# KiCad board TKL.kicad_pcb
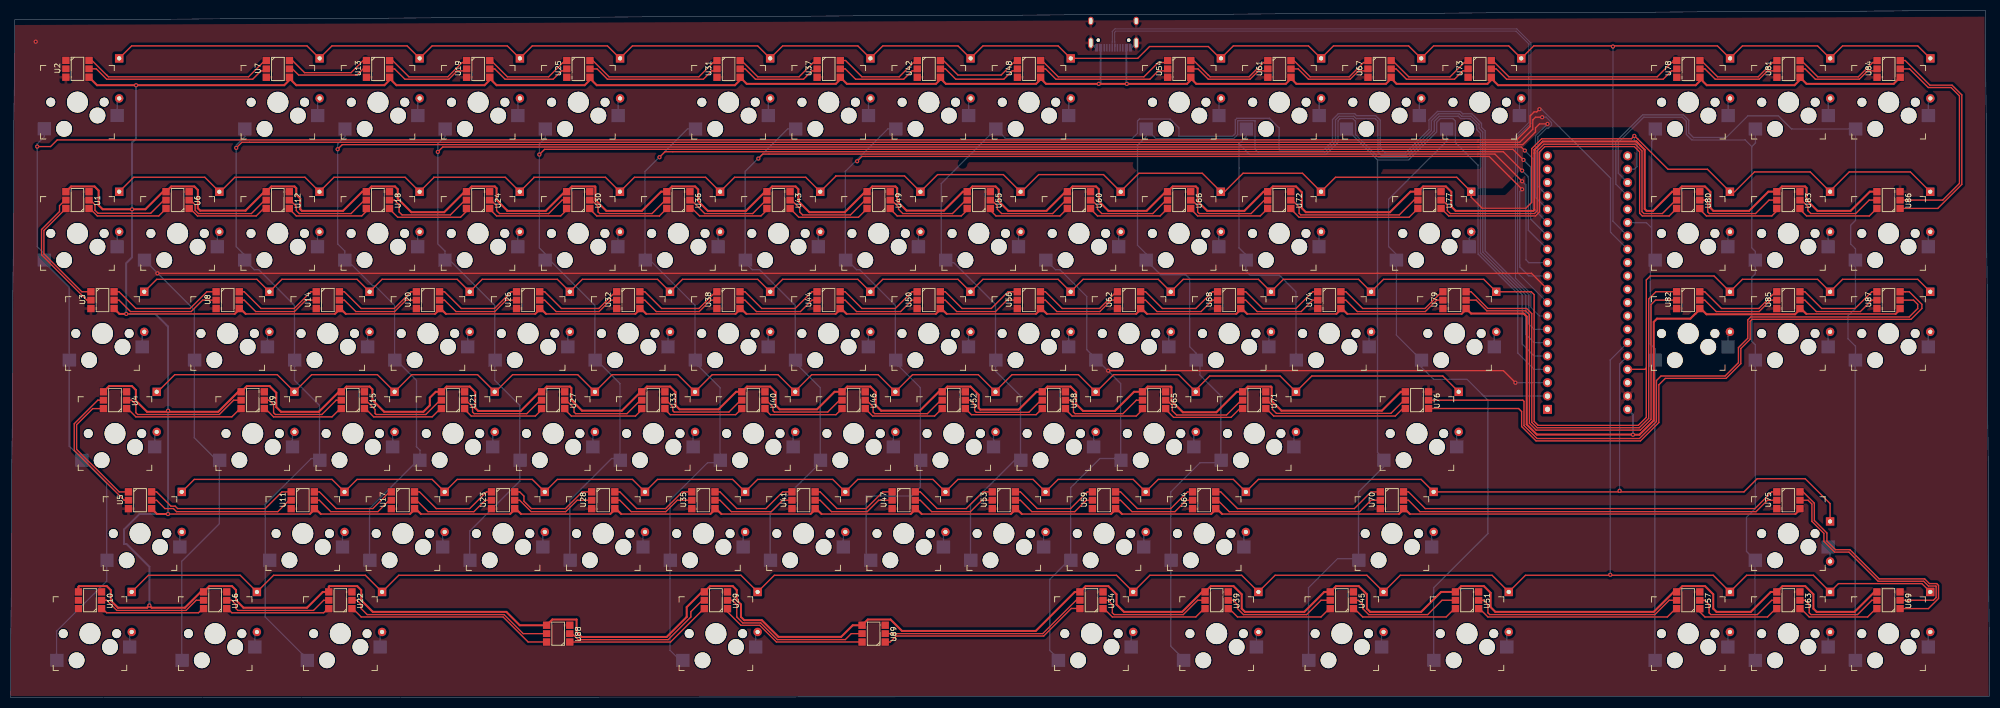
[diagram p0: board, top side]
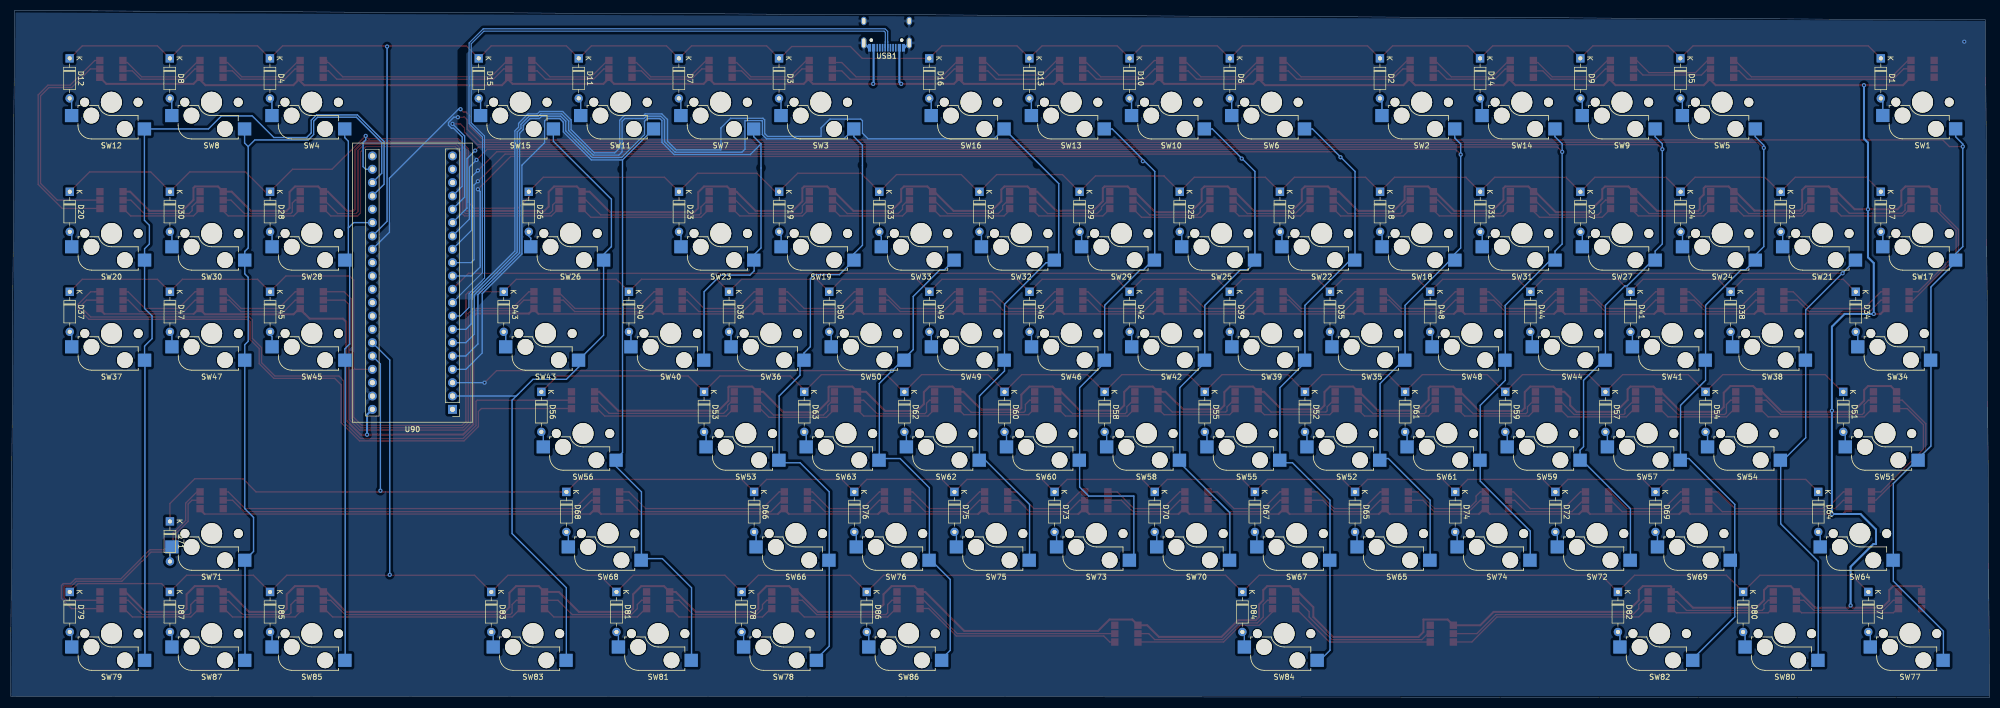
[diagram p1: board, bottom side, seen from below]

Outline 376.43 x 130.81 mm; copper layers: Top, Bottom. Coordinates in mm from the lower left corner of the outline.
Outline path: 0,0 376.43,0.25 375.67,130.81 0.76,129.03 0,0
Stack: Top 0.035mm / dielectric 1.51mm FR4 er 4.5 / Bottom 0.035mm

## Placement (name value [footprint] x y rotation side)
D1  D_ESC  [D_DO-35_SOD27_P7.62mm_Horizontal]  20.67 121.7 270 bottom
D2  D_F4  [D_DO-35_SOD27_P7.62mm_Horizontal]  115.95 121.7 270 bottom
D3  D_F9  [D_DO-35_SOD27_P7.62mm_Horizontal]  230.25 121.7 270 bottom
D4  D_PRINT  [D_DO-35_SOD27_P7.62mm_Horizontal]  327.08 121.7 270 bottom
D5  D_F1  [D_DO-35_SOD27_P7.62mm_Horizontal]  58.8 121.7 270 bottom
D6  D_F5  [D_DO-35_SOD27_P7.62mm_Horizontal]  144.49 121.7 270 bottom
D7  D_F10  [D_DO-35_SOD27_P7.62mm_Horizontal]  249.3 121.7 270 bottom
D8  D_SCRLCK  [D_DO-35_SOD27_P7.62mm_Horizontal]  346.13 121.7 270 bottom
D9  D_F2  [D_DO-35_SOD27_P7.62mm_Horizontal]  77.82 121.7 270 bottom
D10  D_F6  [D_DO-35_SOD27_P7.62mm_Horizontal]  163.57 121.7 270 bottom
D11  D_F11  [D_DO-35_SOD27_P7.62mm_Horizontal]  268.35 121.7 270 bottom
D12  D_BREAK  [D_DO-35_SOD27_P7.62mm_Horizontal]  365.18 121.7 270 bottom
D13  D_F7  [D_DO-35_SOD27_P7.62mm_Horizontal]  182.62 121.7 270 bottom
D14  D_F3  [D_DO-35_SOD27_P7.62mm_Horizontal]  96.9 121.7 270 bottom
D15  D_F12  [D_DO-35_SOD27_P7.62mm_Horizontal]  287.37 121.7 270 bottom
D16  D_F8  [D_DO-35_SOD27_P7.62mm_Horizontal]  201.67 121.7 270 bottom
D17  D_TILDE  [D_DO-35_SOD27_P7.62mm_Horizontal]  20.67 96.3 270 bottom
D18  D_5  [D_DO-35_SOD27_P7.62mm_Horizontal]  115.92 96.3 270 bottom
D19  D_MINUS  [D_DO-35_SOD27_P7.62mm_Horizontal]  230.22 96.3 270 bottom
D20  D_PGUP  [D_DO-35_SOD27_P7.62mm_Horizontal]  365.16 96.3 270 bottom
D21  D_1  [D_DO-35_SOD27_P7.62mm_Horizontal]  39.72 96.3 270 bottom
D22  D_6  [D_DO-35_SOD27_P7.62mm_Horizontal]  134.97 96.3 270 bottom
D23  D_PLUS  [D_DO-35_SOD27_P7.62mm_Horizontal]  249.27 96.3 270 bottom
D24  D_2  [D_DO-35_SOD27_P7.62mm_Horizontal]  58.77 96.3 270 bottom
D25  D_7  [D_DO-35_SOD27_P7.62mm_Horizontal]  154.02 96.3 270 bottom
D26  D_BACK  [D_DO-35_SOD27_P7.62mm_Horizontal]  277.84 96.3 270 bottom
D27  D_3  [D_DO-35_SOD27_P7.62mm_Horizontal]  77.82 96.3 270 bottom
D28  D_INSERT  [D_DO-35_SOD27_P7.62mm_Horizontal]  327.06 96.3 270 bottom
D29  D_8  [D_DO-35_SOD27_P7.62mm_Horizontal]  173.07 96.3 270 bottom
D30  D_HOME  [D_DO-35_SOD27_P7.62mm_Horizontal]  346.11 96.3 270 bottom
D31  D_4  [D_DO-35_SOD27_P7.62mm_Horizontal]  96.87 96.3 270 bottom
D32  D_9  [D_DO-35_SOD27_P7.62mm_Horizontal]  192.12 96.3 270 bottom
D33  D_0  [D_DO-35_SOD27_P7.62mm_Horizontal]  211.17 96.3 270 bottom
D34  D_TAB  [D_DO-35_SOD27_P7.62mm_Horizontal]  25.43 77.25 270 bottom
D35  D_T  [D_DO-35_SOD27_P7.62mm_Horizontal]  125.44 77.25 270 bottom
D36  D_BRACEL  [D_DO-35_SOD27_P7.62mm_Horizontal]  239.74 77.25 270 bottom
D37  D_PGDN  [D_DO-35_SOD27_P7.62mm_Horizontal]  365.16 77.25 270 bottom
D38  D_Q  [D_DO-35_SOD27_P7.62mm_Horizontal]  49.24 77.25 270 bottom
D39  D_Y  [D_DO-35_SOD27_P7.62mm_Horizontal]  144.49 77.25 270 bottom
D40  D_BRACER  [D_DO-35_SOD27_P7.62mm_Horizontal]  258.79 77.25 270 bottom
D41  D_W  [D_DO-35_SOD27_P7.62mm_Horizontal]  68.29 77.25 270 bottom
D42  D_U  [D_DO-35_SOD27_P7.62mm_Horizontal]  163.54 77.25 270 bottom
D43  D_BCKSLSH  [D_DO-35_SOD27_P7.62mm_Horizontal]  282.61 77.25 270 bottom
D44  D_E  [D_DO-35_SOD27_P7.62mm_Horizontal]  87.34 77.25 270 bottom
D45  D_DELETE  [D_DO-35_SOD27_P7.62mm_Horizontal]  327.06 77.25 270 bottom
D46  D_I  [D_DO-35_SOD27_P7.62mm_Horizontal]  182.59 77.25 270 bottom
D47  D_END  [D_DO-35_SOD27_P7.62mm_Horizontal]  346.11 77.25 270 bottom
D48  D_R  [D_DO-35_SOD27_P7.62mm_Horizontal]  106.39 77.25 270 bottom
D49  D_O  [D_DO-35_SOD27_P7.62mm_Horizontal]  201.64 77.25 270 bottom
D50  D_P  [D_DO-35_SOD27_P7.62mm_Horizontal]  220.69 77.25 270 bottom
D51  D_CAPS  [D_DO-35_SOD27_P7.62mm_Horizontal]  27.81 58.2 270 bottom
D52  D_G  [D_DO-35_SOD27_P7.62mm_Horizontal]  130.21 58.2 270 bottom
D53  D_APO  [D_DO-35_SOD27_P7.62mm_Horizontal]  244.51 58.2 270 bottom
D54  D_A  [D_DO-35_SOD27_P7.62mm_Horizontal]  54.01 58.2 270 bottom
D55  D_H  [D_DO-35_SOD27_P7.62mm_Horizontal]  149.26 58.2 270 bottom
D56  D_ENTER  [D_DO-35_SOD27_P7.62mm_Horizontal]  275.46 58.2 270 bottom
D57  D_S  [D_DO-35_SOD27_P7.62mm_Horizontal]  73.06 58.2 270 bottom
D58  D_J  [D_DO-35_SOD27_P7.62mm_Horizontal]  168.31 58.2 270 bottom
D59  D_D  [D_DO-35_SOD27_P7.62mm_Horizontal]  92.11 58.2 270 bottom
D60  D_K  [D_DO-35_SOD27_P7.62mm_Horizontal]  187.36 58.2 270 bottom
D61  D_F  [D_DO-35_SOD27_P7.62mm_Horizontal]  111.16 58.2 270 bottom
D62  D_L  [D_DO-35_SOD27_P7.62mm_Horizontal]  206.41 58.2 270 bottom
D63  D_SEMI  [D_DO-35_SOD27_P7.62mm_Horizontal]  225.46 58.2 270 bottom
D64  D_SHIFT  [D_DO-35_SOD27_P7.62mm_Horizontal]  32.58 39.15 270 bottom
D65  D_V  [D_DO-35_SOD27_P7.62mm_Horizontal]  120.68 39.15 270 bottom
D66  D_SLASH  [D_DO-35_SOD27_P7.62mm_Horizontal]  234.98 39.15 270 bottom
D67  D_B  [D_DO-35_SOD27_P7.62mm_Horizontal]  139.73 39.15 270 bottom
D68  D_RSHIFT  [D_DO-35_SOD27_P7.62mm_Horizontal]  270.7 39.15 270 bottom
D69  D_Z  [D_DO-35_SOD27_P7.62mm_Horizontal]  63.53 39.15 270 bottom
D70  D_N  [D_DO-35_SOD27_P7.62mm_Horizontal]  158.78 39.15 270 bottom
D71  D_UP  [D_DO-35_SOD27_P7.62mm_Horizontal]  346.11 33.53 270 bottom
D72  D_X  [D_DO-35_SOD27_P7.62mm_Horizontal]  82.58 39.15 270 bottom
D73  D_M  [D_DO-35_SOD27_P7.62mm_Horizontal]  177.83 39.15 270 bottom
D74  D_C  [D_DO-35_SOD27_P7.62mm_Horizontal]  101.63 39.15 270 bottom
D75  D_COMMA  [D_DO-35_SOD27_P7.62mm_Horizontal]  196.88 39.15 270 bottom
D76  D_DOT  [D_DO-35_SOD27_P7.62mm_Horizontal]  215.93 39.15 270 bottom
D77  D_LCTRL  [D_DO-35_SOD27_P7.62mm_Horizontal]  23.05 20.1 270 bottom
D78  D_RWIN  [D_DO-35_SOD27_P7.62mm_Horizontal]  237.36 20.1 270 bottom
D79  D_RIGHT  [D_DO-35_SOD27_P7.62mm_Horizontal]  365.16 20.1 270 bottom
D80  D_LWIN  [D_DO-35_SOD27_P7.62mm_Horizontal]  46.86 20.1 270 bottom
D81  D_MENU  [D_DO-35_SOD27_P7.62mm_Horizontal]  261.18 20.1 270 bottom
D82  D_LALT  [D_DO-35_SOD27_P7.62mm_Horizontal]  70.68 20.1 270 bottom
D83  D_RCTRL  [D_DO-35_SOD27_P7.62mm_Horizontal]  284.99 20.1 270 bottom
D84  D_SPACE  [D_DO-35_SOD27_P7.62mm_Horizontal]  142.11 20.1 270 bottom
D85  D_LEFT  [D_DO-35_SOD27_P7.62mm_Horizontal]  327.06 20.1 270 bottom
D86  D_RALT  [D_DO-35_SOD27_P7.62mm_Horizontal]  213.55 20.1 270 bottom
D87  D_DOWN  [D_DO-35_SOD27_P7.62mm_Horizontal]  346.11 20.1 270 bottom
SW1  K_ESC  [Kailh_socket_MX]  12.73 113.36 180 top
SW2  K_F4  [Kailh_socket_MX]  108.01 113.34 180 top
SW3  K_F9  [Kailh_socket_MX]  222.31 113.34 180 top
SW4  K_PRINT  [Kailh_socket_MX]  319.15 113.34 180 top
SW5  K_F1  [Kailh_socket_MX]  50.86 113.34 180 top
SW6  K_F5  [Kailh_socket_MX]  136.58 113.34 180 top
SW7  K_F10  [Kailh_socket_MX]  241.36 113.34 180 top
SW8  K_SCRLCK  [Kailh_socket_MX]  338.2 113.34 180 top
SW9  K_F2  [Kailh_socket_MX]  69.91 113.34 180 top
SW10  K_F6  [Kailh_socket_MX]  155.63 113.34 180 top
SW11  K_F11  [Kailh_socket_MX]  260.41 113.34 180 top
SW12  K_BREAK  [Kailh_socket_MX]  357.25 113.34 180 top
SW13  K_F7  [Kailh_socket_MX]  174.68 113.34 180 top
SW14  K_F3  [Kailh_socket_MX]  88.96 113.34 180 top
SW15  K_F12  [Kailh_socket_MX]  279.46 113.34 180 top
SW16  K_F8  [Kailh_socket_MX]  193.73 113.34 180 top
SW17  K_TILDE  [Kailh_socket_MX]  12.73 88.36 180 top
SW18  K_5  [Kailh_socket_MX]  107.98 88.36 180 top
SW19  K_MINUS  [Kailh_socket_MX]  222.28 88.36 180 top
SW20  K_PGUP  [Kailh_socket_MX]  357.22 88.36 180 top
SW21  K_1  [Kailh_socket_MX]  31.78 88.36 180 top
SW22  K_6  [Kailh_socket_MX]  127.03 88.36 180 top
SW23  K_PLUS  [Kailh_socket_MX]  241.33 88.36 180 top
SW24  K_2  [Kailh_socket_MX]  50.83 88.36 180 top
SW25  K_7  [Kailh_socket_MX]  146.08 88.36 180 top
SW26  K_BACK  [Kailh_socket_MX]  269.91 88.36 180 top
SW27  K_3  [Kailh_socket_MX]  69.88 88.36 180 top
SW28  K_INSERT  [Kailh_socket_MX]  319.12 88.36 180 top
SW29  K_8  [Kailh_socket_MX]  165.13 88.36 180 top
SW30  K_HOME  [Kailh_socket_MX]  338.17 88.36 180 top
SW31  K_4  [Kailh_socket_MX]  88.93 88.36 180 top
SW32  K_9  [Kailh_socket_MX]  184.18 88.36 180 top
SW33  K_0  [Kailh_socket_MX]  203.23 88.36 180 top
SW34  K_TAB  [Kailh_socket_MX]  17.49 69.31 180 top
SW35  K_T  [Kailh_socket_MX]  117.51 69.31 180 top
SW36  K_BRACEL  [Kailh_socket_MX]  231.81 69.31 180 top
SW37  K_PGDN  [Kailh_socket_MX]  357.22 69.31 180 top
SW38  K_Q  [Kailh_socket_MX]  41.31 69.31 180 top
SW39  K_Y  [Kailh_socket_MX]  136.56 69.31 180 top
SW40  K_BRACER  [Kailh_socket_MX]  250.86 69.31 180 top
SW41  K_W  [Kailh_socket_MX]  60.36 69.31 180 top
SW42  K_U  [Kailh_socket_MX]  155.61 69.31 180 top
SW43  K_BCKSLSH  [Kailh_socket_MX]  274.67 69.31 180 top
SW44  K_E  [Kailh_socket_MX]  79.41 69.31 180 top
SW45  K_DELETE  [Kailh_socket_MX]  319.12 69.31 180 top
SW46  K_I  [Kailh_socket_MX]  174.66 69.31 180 top
SW47  K_END  [Kailh_socket_MX]  338.17 69.31 180 top
SW48  K_R  [Kailh_socket_MX]  98.46 69.31 180 top
SW49  K_O  [Kailh_socket_MX]  193.71 69.31 180 top
SW50  K_P  [Kailh_socket_MX]  212.76 69.31 180 top
SW51  K_CAPS  [Kailh_socket_MX]  19.88 50.26 180 top
SW52  K_G  [Kailh_socket_MX]  122.27 50.26 180 top
SW53  K_APO  [Kailh_socket_MX]  236.57 50.26 180 top
SW54  K_A  [Kailh_socket_MX]  46.07 50.26 180 top
SW55  K_H  [Kailh_socket_MX]  141.3 50.26 180 top
SW56  K_ENTER  [Kailh_socket_MX]  267.53 50.26 180 top
SW57  K_S  [Kailh_socket_MX]  65.12 50.26 180 top
SW58  K_J  [Kailh_socket_MX]  160.37 50.26 180 top
SW59  K_D  [Kailh_socket_MX]  84.17 50.26 180 top
SW60  K_K  [Kailh_socket_MX]  179.42 50.26 180 top
SW61  K_F  [Kailh_socket_MX]  103.22 50.26 180 top
SW62  K_L  [Kailh_socket_MX]  198.46 50.26 180 top
SW63  K_SEMI  [Kailh_socket_MX]  217.52 50.26 180 top
SW64  K_SHIFT  [Kailh_socket_MX]  24.64 31.21 180 top
SW65  K_V  [Kailh_socket_MX]  112.74 31.21 180 top
SW66  K_SLASH  [Kailh_socket_MX]  227.04 31.21 180 top
SW67  K_B  [Kailh_socket_MX]  131.79 31.21 180 top
SW68  K_RSHIFT  [Kailh_socket_MX]  262.76 31.21 180 top
SW69  K_Z  [Kailh_socket_MX]  55.59 31.21 180 top
SW70  K_N  [Kailh_socket_MX]  150.84 31.21 180 top
SW71  K_UP  [Kailh_socket_MX]  338.17 31.21 180 top
SW72  K_X  [Kailh_socket_MX]  74.64 31.21 180 top
SW73  K_M  [Kailh_socket_MX]  169.89 31.21 180 top
SW74  K_C  [Kailh_socket_MX]  93.69 31.21 180 top
SW75  K_COMMA  [Kailh_socket_MX]  188.94 31.21 180 top
SW76  K_DOT  [Kailh_socket_MX]  207.99 31.21 180 top
SW77  K_LCTRL  [Kailh_socket_MX]  15.11 12.16 180 top
SW78  K_RWIN  [Kailh_socket_MX]  229.43 12.16 180 top
SW79  K_RIGHT  [Kailh_socket_MX]  357.22 12.16 180 top
SW80  K_LWIN  [Kailh_socket_MX]  38.93 12.16 180 top
SW81  K_MENU  [Kailh_socket_MX]  253.24 12.16 180 top
SW82  K_LALT  [Kailh_socket_MX]  62.74 12.16 180 top
SW83  K_RCTRL  [Kailh_socket_MX]  277.05 12.16 180 top
SW84  K_SPACE  [Kailh_socket_MX]  134.18 12.16 180 top
SW85  K_LEFT  [Kailh_socket_MX]  319.12 12.16 180 top
SW86  K_RALT  [Kailh_socket_MX]  205.61 12.16 180 top
SW87  K_DOWN  [Kailh_socket_MX]  338.17 12.16 180 top
U1  L_TILDE  [APA102]  12.73 94.71 90 top
U2  L_Escape  [APA102]  12.73 119.71 270 top
U3  L_TAB  [APA102]  17.49 75.66 270 top
U4  L_CAPS  [APA102]  19.88 56.61 90 top
U5  L_LSHIFT  [APA102]  24.64 37.56 270 top
U6  L_1  [APA102]  31.78 94.71 90 top
U7  L_F1  [APA102]  50.86 119.69 270 top
U8  L_Q  [APA102]  41.31 75.66 270 top
U9  L_A  [APA102]  46.07 56.61 90 top
U10  L_LCTRL  [APA102]  15.11 18.51 90 top
U11  L_Z  [APA102]  55.59 37.56 270 top
U12  L_2  [APA102]  50.83 94.71 90 top
U13  L_F2  [APA102]  69.91 119.69 270 top
U14  L_W  [APA102]  60.36 75.66 270 top
U15  L_S  [APA102]  65.12 56.61 90 top
U16  L_LWIN  [APA102]  38.93 18.51 90 top
U17  L_X  [APA102]  74.64 37.56 270 top
U18  L_3  [APA102]  69.88 94.71 90 top
U19  L_F3  [APA102]  88.96 119.69 270 top
U20  L_E  [APA102]  79.41 75.66 270 top
U21  L_D  [APA102]  84.17 56.61 90 top
U22  L_LALT  [APA102]  62.74 18.51 90 top
U23  L_C  [APA102]  93.69 37.56 270 top
U24  L_4  [APA102]  88.93 94.71 90 top
U25  L_F4  [APA102]  108.01 119.69 270 top
U26  L_R  [APA102]  98.46 75.66 270 top
U27  L_F  [APA102]  103.22 56.61 90 top
U28  L_V  [APA102]  112.74 37.56 270 top
U29  L_SPACE2  [APA102]  134.18 18.51 90 top
U30  L_5  [APA102]  107.98 94.71 90 top
U31  L_F5  [APA102]  136.58 119.69 270 top
U32  L_T  [APA102]  117.51 75.66 270 top
U33  L_G  [APA102]  122.27 56.61 90 top
U34  L_RALT  [APA102]  205.61 18.51 90 top
U35  L_B  [APA102]  131.79 37.56 270 top
U36  L_6  [APA102]  127.03 94.71 90 top
U37  L_F6  [APA102]  155.63 119.69 270 top
U38  L_Y  [APA102]  136.56 75.66 270 top
U39  L_RWIN  [APA102]  229.43 18.51 90 top
U40  L_H  [APA102]  141.3 56.61 90 top
U41  L_N  [APA102]  150.84 37.56 270 top
U42  L_F7  [APA102]  174.68 119.69 270 top
U43  L_7  [APA102]  146.08 94.71 90 top
U44  L_U  [APA102]  155.61 75.66 270 top
U45  L_MENU  [APA102]  253.24 18.51 90 top
U46  L_J  [APA102]  160.37 56.61 90 top
U47  L_M  [APA102]  169.89 37.56 270 top
U48  L_F8  [APA102]  193.73 119.69 270 top
U49  L_8  [APA102]  165.13 94.71 90 top
U50  L_I  [APA102]  174.66 75.66 270 top
U51  L_RCTRL  [APA102]  277.05 18.51 90 top
U52  L_K  [APA102]  179.42 56.61 90 top
U53  L_COMMA  [APA102]  188.94 37.56 270 top
U54  L_F9  [APA102]  222.31 119.69 270 top
U55  L_9  [APA102]  184.18 94.71 90 top
U56  L_O  [APA102]  193.71 75.66 270 top
U57  L_LEFT  [APA102]  319.12 18.51 90 top
U58  L_L  [APA102]  198.46 56.61 90 top
U59  L_DOT  [APA102]  207.99 37.56 270 top
U60  L_0  [APA102]  203.23 94.71 90 top
U61  L_F10  [APA102]  241.36 119.69 270 top
U62  L_P  [APA102]  212.76 75.66 270 top
U63  L_DOWN  [APA102]  338.17 18.51 90 top
U64  L_SLASH  [APA102]  227.04 37.56 270 top
U65  L_SEMI  [APA102]  217.52 56.61 90 top
U66  L_MINUS  [APA102]  222.28 94.71 90 top
U67  L_F11  [APA102]  260.41 119.69 270 top
U68  L_BRACEL  [APA102]  231.81 75.66 270 top
U69  L_RIGHT  [APA102]  357.22 18.51 90 top
U70  L_RSHIFT  [APA102]  262.76 37.56 270 top
U71  L_APO  [APA102]  236.57 56.61 90 top
U72  L_PLUS  [APA102]  241.33 94.71 90 top
U73  L_F12  [APA102]  279.46 119.69 270 top
U74  L_BRACER  [APA102]  250.86 75.66 270 top
U75  L_UP  [APA102]  338.17 37.56 270 top
U76  L_ENTER  [APA102]  267.53 56.61 90 top
U77  L_BACK  [APA102]  269.91 94.71 90 top
U78  L_PrtSc  [APA102]  319.15 119.69 270 top
U79  L_BCKSLSH  [APA102]  274.67 75.66 270 top
U80  L_INSERT  [APA102]  319.12 94.71 90 top
U81  L_ScrlLck  [APA102]  338.2 119.69 270 top
U82  L_DELETE  [APA102]  319.12 75.66 270 top
U83  L_HOME  [APA102]  338.17 94.71 90 top
U84  L_Pause  [APA102]  357.25 119.69 270 top
U85  L_END  [APA102]  338.17 75.66 270 top
U86  L_PgUp  [APA102]  357.22 94.71 90 top
U87  L_PgDn  [APA102]  357.22 75.66 270 top
U88  L_SPACE1  [APA102]  104.18 12.16 90 top
U89  L_SPACE3  [APA102]  164.18 12.16 90 top
U90  YAAJ_WeAct_BlackPill_Part_Like_SWD_Breakout  [YAAJ_WeAct_BlackPill_2]  292.35 54.86 0 bottom
USB1  HRO-TYPE-C-31-M-12  [HRO-TYPE-C-31-M-12-Assembly]  209.8 131.42 0 bottom

## Library data of the parts
D1-D87 = -: Description: Diode
SW1-SW87 = -: Description: 1x DIP Switch, Single Pole Single Throw (SPST) switch, small symbol
U90 = -: Description: WeAct STM32F401/411 Black Pill ; not KLC compliant ; SWD broken out

## Footprints (pads in the part's own frame, mm; a bottom-side part is the same pattern mirrored in y, then rotated)
APA102
  rect 1.4x1.4 smd: 1(-1.6,-2.2) 3(1.6,-2.2) 4(1.6,2.2) 6(-1.6,2.2)
  rect 1.3x1.4 smd: 2(0,-2.2) 5(0,2.2)
D_DO-35_SOD27_P7.62mm_Horizontal
  rect 1.6x1.6 hole 0.8: 1(0,0)
  oval 1.6x1.6 hole 0.8: 2(7.62,0)
HRO-TYPE-C-31-M-12-Assembly
  round 0.65 hole 0.65 unplated: (-2.89,6.25) (2.89,6.25)
  rect 0.6x1.45 smd: 1(-3.225,7.695) 2(-2.45,7.695) 11(2.45,7.695) 12(3.225,7.695)
  rect 0.3x1.45 smd: 3(-1.75,7.695) 4(-1.25,7.695) 5(-0.75,7.695) 6(-0.25,7.695) 7(0.25,7.695) 8(0.75,7.695) 9(1.25,7.695) 10(1.75,7.695)
  oval 1x1.6 hole 0.6x1.2: 13(-4.32,2.6) 13(4.32,2.6)
  oval 1x2.1 hole 0.6x1.7: 13(-4.32,6.78) 13(4.32,6.78)
Kailh_socket_MX
  round 1.702 hole 1.702 unplated: (-5.08,0) (5.08,0)
  round 3 hole 3 unplated: (-3.81,2.54) (2.54,5.08)
  round 3.988 hole 3.988 unplated: (0,0)
  rect 2.55x2.5 smd far side: 1(6.29,5.08) 2(-7.56,2.54)
YAAJ_WeAct_BlackPill_2
  rect 1.7x1.7 hole 1: 1(0,0)
  round 1.7 hole 1: 2(0,-2.54) 3(0,-5.08) 4(0,-7.62) 5(0,-10.16) 6(0,-12.7) 7(0,-15.24) 8(0,-17.78) 9(0,-20.32) 10(0,-22.86) 11(0,-25.4) 12(0,-27.94) 13(0,-30.48) 14(0,-33.02) 15(0,-35.56) 16(0,-38.1) 17(0,-40.64) 18(0,-43.18) 19(0,-45.72) 20(0,-48.26) 21(15.24,-48.26) 22(15.24,-45.72) 23(15.24,-43.18) 24(15.24,-40.64) 25(15.24,-38.1) 26(15.24,-35.56) 27(15.24,-33.02) 28(15.24,-30.48) 29(15.24,-27.94) 30(15.24,-25.4) 31(15.24,-22.86) 32(15.24,-20.32) 33(15.24,-17.78) 34(15.24,-15.24) 35(15.24,-12.7) 36(15.24,-10.16) 37(15.24,-7.62) 38(15.24,-5.08) 39(15.24,-2.54) 40(15.24,0)

## Nets
GND: U1.3 U2.3 U3.3 U4.3 U5.3 U6.3 U7.3 U8.3 U9.3 U10.3 U11.3 U12.3 U13.3 U14.3 U15.3 U16.3 U17.3 U18.3 U19.3 U20.3 U21.3 U22.3 U23.3 U24.3 U25.3 U26.3 U27.3 U28.3 U29.3 U30.3 U31.3 U32.3 U33.3 U34.3 U35.3 U36.3 U37.3 U38.3 U39.3 U40.3 U41.3 U42.3 U43.3 U44.3 U45.3 U46.3 U47.3 U48.3 U49.3 U50.3 U51.3 U52.3 U53.3 U54.3 U55.3 U56.3 U57.3 U58.3 U60.3 U61.3 U62.3 U63.3 U64.3 U65.3 U66.3 U67.3 U68.3 U69.3 U70.3 U71.3 U72.3 U73.3 U74.3 U75.3 U76.3 U77.3 U78.3 U79.3 U80.3 U81.3 U82.3 U83.3 U84.3 U85.3 U86.3 U87.3 U88.3 U89.3 U90.39 USB1.1 USB1.12 USB1.13
VCC: U1.4 U2.4 U3.4 U4.4 U5.4 U6.4 U7.4 U8.4 U9.4 U10.4 U11.4 U12.4 U13.4 U14.4 U15.4 U16.4 U17.4 U18.4 U19.4 U20.4 U21.4 U22.4 U23.4 U24.4 U25.4 U26.4 U27.4 U28.4 U29.4 U30.4 U31.4 U32.4 U33.4 U34.4 U35.4 U36.4 U37.4 U38.4 U39.4 U40.4 U41.4 U42.4 U43.4 U44.4 U45.4 U46.4 U47.4 U48.4 U49.4 U50.4 U51.4 U52.4 U53.4 U54.4 U55.4 U56.4 U57.4 U58.4 U59.4 U60.4 U61.4 U62.4 U63.4 U64.4 U65.4 U66.4 U67.4 U68.4 U69.4 U70.4 U71.4 U72.4 U73.4 U74.4 U75.4 U76.4 U77.4 U78.4 U79.4 U80.4 U81.4 U82.4 U83.4 U84.4 U85.4 U86.4 U87.4 U88.4 U89.4 U90.40 USB1.2 USB1.11
CIN: U2.2
Col1: SW1.1 SW17.1 SW34.1 SW51.1 SW64.1 SW77.1 U90.28
Col2: SW21.1 SW38.1 SW54.1 SW80.1 U90.10
Col3: SW5.1 SW24.1 SW41.1 SW57.1 SW69.1 SW82.1 U90.17
Col4: SW9.1 SW27.1 SW44.1 SW59.1 SW72.1 U90.16
Col5: SW14.1 SW31.1 SW48.1 SW61.1 SW74.1 U90.15
Col6: SW2.1 SW18.1 SW35.1 SW52.1 SW65.1 U90.14
Col7: SW6.1 SW22.1 SW39.1 SW55.1 SW67.1 SW84.1 U90.13
Col8: SW10.1 SW25.1 SW42.1 SW58.1 SW70.1 U90.12
Col9: SW13.1 SW29.1 SW46.1 SW60.1 SW73.1 U90.11
Col10: SW16.1 SW32.1 SW49.1 SW62.1 SW75.1 U90.7
Col11: SW33.1 SW50.1 SW63.1 SW76.1 SW86.1 U90.3
Col12: SW3.1 SW19.1 SW36.1 SW53.1 SW66.1 SW78.1 U90.6
Col13: SW7.1 SW23.1 SW40.1 U90.5
Col14: SW11.1 SW56.1 SW68.1 SW81.1 U90.4
Col15: SW15.1 SW26.1 SW43.1 SW83.1 U90.2
Col16: SW4.1 SW28.1 SW45.1 SW85.1 U90.26
Col17: SW8.1 SW30.1 SW47.1 SW71.1 SW87.1 U90.23
Col18: SW12.1 SW20.1 SW37.1 SW79.1 U90.24
COUT: U10.5
D+: U90.9 USB1.6
D-: U90.8 USB1.7
DIN: U2.1
DOUT: U10.6
Row1: D1.1 D2.1 D3.1 D4.1 D5.1 D6.1 D7.1 D8.1 D9.1 D10.1 D11.1 D12.1 D13.1 D14.1 D15.1 D16.1 U90.27
Row2: D17.1 D18.1 D19.1 D20.1 D21.1 D22.1 D23.1 D24.1 D25.1 D26.1 D27.1 D28.1 D29.1 D30.1 D31.1 D32.1 D33.1 U90.22
Row3: D34.1 D35.1 D36.1 D37.1 D38.1 D39.1 D40.1 D41.1 D42.1 D43.1 D44.1 D45.1 D46.1 D47.1 D48.1 D49.1 D50.1 U90.37
Row4: D51.1 D52.1 D53.1 D54.1 D55.1 D56.1 D57.1 D58.1 D59.1 D60.1 D61.1 D62.1 D63.1 U90.1
Row5: D64.1 D65.1 D66.1 D67.1 D68.1 D69.1 D70.1 D71.1 D72.1 D73.1 D74.1 D75.1 D76.1 U90.36
Row6: D77.1 D78.1 D79.1 D80.1 D81.1 D82.1 D83.1 D84.1 D85.1 D86.1 D87.1 U90.35
Net-(D1-A): D1.2 SW1.2
Net-(D2-A): D2.2 SW2.2
Net-(D3-A): D3.2 SW3.2
Net-(D4-A): D4.2 SW4.2
Net-(D5-A): D5.2 SW5.2
Net-(D6-A): D6.2 SW6.2
Net-(D7-A): D7.2 SW7.2
Net-(D8-A): D8.2 SW8.2
Net-(D9-A): D9.2 SW9.2
Net-(D10-A): D10.2 SW10.2
Net-(D11-A): D11.2 SW11.2
Net-(D12-A): D12.2 SW12.2
Net-(D13-A): D13.2 SW13.2
Net-(D14-A): D14.2 SW14.2
Net-(D15-A): D15.2 SW15.2
Net-(D16-A): D16.2 SW16.2
Net-(D17-A): D17.2 SW17.2
Net-(D18-A): D18.2 SW18.2
Net-(D19-A): D19.2 SW19.2
Net-(D20-A): D20.2 SW20.2
Net-(D21-A): D21.2 SW21.2
Net-(D22-A): D22.2 SW22.2
Net-(D23-A): D23.2 SW23.2
Net-(D24-A): D24.2 SW24.2
Net-(D25-A): D25.2 SW25.2
Net-(D26-A): D26.2 SW26.2
Net-(D27-A): D27.2 SW27.2
Net-(D28-A): D28.2 SW28.2
Net-(D29-A): D29.2 SW29.2
Net-(D30-A): D30.2 SW30.2
Net-(D31-A): D31.2 SW31.2
Net-(D32-A): D32.2 SW32.2
Net-(D33-A): D33.2 SW33.2
Net-(D34-A): D34.2 SW34.2
Net-(D35-A): D35.2 SW35.2
Net-(D36-A): D36.2 SW36.2
Net-(D37-A): D37.2 SW37.2
Net-(D38-A): D38.2 SW38.2
Net-(D39-A): D39.2 SW39.2
Net-(D40-A): D40.2 SW40.2
Net-(D41-A): D41.2 SW41.2
Net-(D42-A): D42.2 SW42.2
Net-(D43-A): D43.2 SW43.2
Net-(D44-A): D44.2 SW44.2
Net-(D45-A): D45.2 SW45.2
Net-(D46-A): D46.2 SW46.2
Net-(D47-A): D47.2 SW47.2
Net-(D48-A): D48.2 SW48.2
Net-(D49-A): D49.2 SW49.2
Net-(D50-A): D50.2 SW50.2
Net-(D51-A): D51.2 SW51.2
Net-(D52-A): D52.2 SW52.2
Net-(D53-A): D53.2 SW53.2
Net-(D54-A): D54.2 SW54.2
Net-(D55-A): D55.2 SW55.2
Net-(D56-A): D56.2 SW56.2
Net-(D57-A): D57.2 SW57.2
Net-(D58-A): D58.2 SW58.2
Net-(D59-A): D59.2 SW59.2
Net-(D60-A): D60.2 SW60.2
Net-(D61-A): D61.2 SW61.2
Net-(D62-A): D62.2 SW62.2
Net-(D63-A): D63.2 SW63.2
Net-(D64-A): D64.2 SW64.2
Net-(D65-A): D65.2 SW65.2
Net-(D66-A): D66.2 SW66.2
Net-(D67-A): D67.2 SW67.2
Net-(D68-A): D68.2 SW68.2
Net-(D69-A): D69.2 SW69.2
Net-(D70-A): D70.2 SW70.2
Net-(D71-A): D71.2 SW71.2
Net-(D72-A): D72.2 SW72.2
Net-(D73-A): D73.2 SW73.2
Net-(D74-A): D74.2 SW74.2
Net-(D75-A): D75.2 SW75.2
Net-(D76-A): D76.2 SW76.2
Net-(D77-A): D77.2 SW77.2
Net-(D78-A): D78.2 SW78.2
Net-(D79-A): D79.2 SW79.2
Net-(D80-A): D80.2 SW80.2
Net-(D81-A): D81.2 SW81.2
Net-(D82-A): D82.2 SW82.2
Net-(D83-A): D83.2 SW83.2
Net-(D84-A): D84.2 SW84.2
Net-(D85-A): D85.2 SW85.2
Net-(D86-A): D86.2 SW86.2
Net-(D87-A): D87.2 SW87.2
Net-(U1-CIN): U1.2 U6.5
Net-(U1-COUT): U1.5 U3.2
Net-(U1-DIN): U1.1 U6.6
Net-(U1-DOUT): U1.6 U3.1
Net-(U2-COUT): U2.5 U7.2
Net-(U2-DOUT): U2.6 U7.1
Net-(U3-COUT): U3.5 U8.2
Net-(U3-DOUT): U3.6 U8.1
Net-(U4-CIN): U4.2 U9.5
Net-(U4-COUT): U4.5 U5.2
Net-(U4-DIN): U4.1 U9.6
Net-(U4-DOUT): U4.6 U5.1
Net-(U10-CIN): U10.2 U16.5
Net-(U10-DIN): U10.1 U16.6
Net-(U11-CIN): U5.5 U11.2
Net-(U11-COUT): U11.5 U17.2
Net-(U11-DIN): U5.6 U11.1
Net-(U11-DOUT): U11.6 U17.1
Net-(U12-CIN): U12.2 U18.5
Net-(U12-COUT): U6.2 U12.5